# KiCad board main_panel.kicad_pcb (continued)
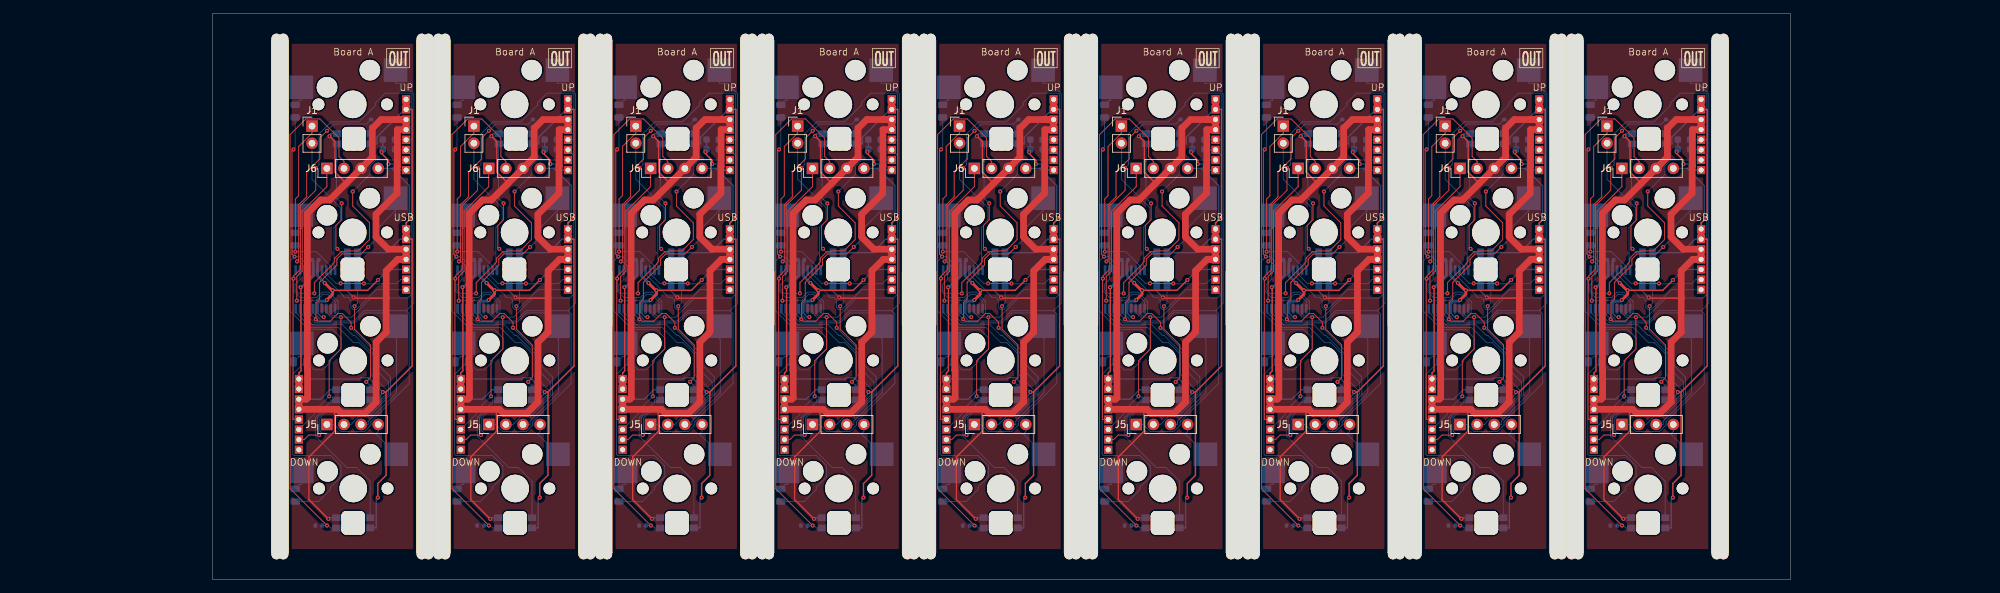
[diagram p0: board, top side]
## Routing (per net, layer and track width the routed paths; a pad name or vN(x,y) marks a point on that pad's centre or on a via; arc(x,y) is an arc through that point) (continued)
/COM2: length 261.5
  Top w0.13: J6#4.1 16.96,58.31 13.3,54.66 13.3,45.76 12.51,44.97 v1(12.51,41.38) ; v1(132.51,41.38) 132.51,44.97 133.3,45.76 133.3,54.66 136.96,58.31 J6#2.1 ; J6#3.1 88.96,58.31 85.3,54.66 85.3,45.76 84.51,44.97 v1(84.51,41.38) ; v1(180.51,41.38) 180.51,44.97 181.3,45.76 181.3,54.66 184.96,58.31 J6#9.1 ; v1(36.51,41.38) 36.51,44.97 37.3,45.76 37.3,54.66 40.96,58.31 J6.1 ; J6#6.1 208.96,58.31 205.3,54.66 205.3,45.76 204.51,44.97 v1(204.51,41.38) ; J6#8.1 64.96,58.31 61.3,54.66 61.3,45.76 60.51,44.97 v1(60.51,41.38) ; J6#7.1 160.96,58.31 157.3,54.66 157.3,45.76 156.51,44.97 v1(156.51,41.38) ; v1(108.51,41.38) 108.51,44.97 109.3,45.76 109.3,54.66 112.96,58.31 J6#5.1
  Bottom w0.13: v1(156.51,41.38) 159.35,41.38 159.74,41.76 159.81,41.76 160.36,42.31 161.11,42.31 162.19,41.24 U1#7.1 ; U1#2.1 210.19,41.24 209.11,42.31 208.36,42.31 207.81,41.76 207.74,41.76 207.35,41.38 v1(204.51,41.38) ; v1(12.51,41.38) 15.35,41.38 15.74,41.76 15.81,41.76 16.36,42.31 17.11,42.31 18.19,41.24 U1#8.1 ; U1#6.1 186.19,41.24 185.11,42.31 184.36,42.31 183.81,41.76 183.74,41.76 183.35,41.38 v1(180.51,41.38) ; v1(108.51,41.38) 111.35,41.38 111.74,41.76 111.81,41.76 112.36,42.31 113.11,42.31 114.19,41.24 U1#5.1 ; v1(36.51,41.38) 39.35,41.38 39.74,41.76 39.81,41.76 40.36,42.31 41.11,42.31 42.19,41.24 U1.1 ; v1(84.51,41.38) 87.35,41.38 87.74,41.76 87.81,41.76 88.36,42.31 89.11,42.31 90.19,41.24 U1#3.1 ; v1(132.51,41.38) 135.35,41.38 135.74,41.76 135.81,41.76 136.36,42.31 137.11,42.31 138.19,41.24 U1#9.1 ; v1(60.51,41.38) 63.35,41.38 63.74,41.76 63.81,41.76 64.36,42.31 65.11,42.31 66.19,41.24 U1#4.1
/DM: length 154.5
  Bottom w0.13: J4#3.7 192.27,43.01 189.33,40.06 188.84,40.06 188.51,40.39 188.51,41.49 188.13,41.87 187.56,41.87 187.38,42.05 187.38,42.15 184.24,45.3 184.24,45.91 ; U1.17 40.23,45.3 43.38,42.15 43.38,42.05 43.56,41.87 44.13,41.87 44.51,41.49 44.51,40.39 44.84,40.06 45.33,40.06 48.27,43.01 J4#6.7 ; U1#4.17 64.23,45.3 67.38,42.15 67.38,42.05 67.56,41.87 68.13,41.87 68.51,41.49 68.51,40.39 68.84,40.06 69.33,40.06 72.27,43.01 J4#9.7 ; 160.24,45.91 160.24,45.3 163.38,42.15 163.38,42.05 163.56,41.87 164.13,41.87 164.51,41.49 164.51,40.39 164.84,40.06 165.33,40.06 168.27,43.01 J4#8.7 ; J4#5.7 144.27,43.01 141.33,40.06 140.84,40.06 140.51,40.39 140.51,41.49 140.13,41.87 139.56,41.87 139.38,42.05 139.38,42.15 136.24,45.3 136.24,45.91 ; 112.24,45.91 112.24,45.3 115.38,42.15 115.38,42.05 115.56,41.87 116.13,41.87 116.51,41.49 116.51,40.39 116.84,40.06 117.33,40.06 120.27,43.01 J4#2.7 ; J4.7 96.27,43.01 93.33,40.06 92.84,40.06 92.51,40.39 92.51,41.49 92.13,41.87 91.56,41.87 91.38,42.05 91.38,42.15 88.23,45.3 U1#3.17 ; U1#8.17 16.23,45.3 19.38,42.15 19.38,42.05 19.56,41.87 20.13,41.87 20.51,41.49 20.51,40.39 20.84,40.06 21.33,40.06 24.27,43.01 J4#7.7 ; J4#4.7 216.27,43.01 213.33,40.06 212.84,40.06 212.51,40.39 212.51,41.49 212.13,41.87 211.56,41.87 211.38,42.05 211.38,42.15 208.24,45.3 208.24,45.91
/DP: length 118.9
  Top w0.13: v1(187,43.95) 187.02,43.93 v1(190.45,43.93) ; v1(70.45,43.93) 67.02,43.93 v1(67,43.95) ; v1(46.45,43.93) 43.02,43.93 v1(43,43.95) ; v1(214.45,43.93) 211.02,43.93 v1(211,43.95) ; v1(94.45,43.93) 91.02,43.93 v1(91,43.95) ; v1(142.45,43.93) 139.02,43.93 v1(139,43.95) ; v1(115,43.95) 115.02,43.93 v1(118.45,43.93) ; v1(163,43.95) 163.02,43.93 v1(166.45,43.93) ; v1(22.45,43.93) 19.02,43.93 v1(19,43.95)
  Bottom w0.13: J4#6.6 51.91,44.51 51.3,43.89 46.49,43.89 v1(46.45,43.93) ; v1(211,43.95) 210.32,43.95 208.88,45.39 U1#2.18 ; v1(115,43.95) 114.32,43.95 112.88,45.39 U1#5.18 ; U1.18 40.89,45.39 42.32,43.95 v1(43,43.95) ; v1(142.45,43.93) 142.49,43.89 147.3,43.89 147.91,44.51 J4#5.6 ; J4#3.6 195.91,44.51 195.3,43.89 190.49,43.89 v1(190.45,43.93) ; J4#7.6 27.91,44.51 27.3,43.89 22.49,43.89 v1(22.45,43.93) ; U1#8.18 16.88,45.39 18.32,43.95 v1(19,43.95) ; J4#8.6 171.91,44.51 171.3,43.89 166.49,43.89 v1(166.45,43.93) ; U1#4.18 64.89,45.39 66.32,43.95 v1(67,43.95) ; U1#3.18 88.89,45.39 90.32,43.95 v1(91,43.95) ; v1(139,43.95) 138.32,43.95 136.88,45.39 U1#9.18 ; v1(163,43.95) 162.32,43.95 160.88,45.39 U1#7.18 ; v1(70.45,43.93) 70.49,43.89 75.3,43.89 75.91,44.51 J4#9.6 ; v1(94.45,43.93) 94.49,43.89 99.3,43.89 99.91,44.51 J4.6 ; v1(118.45,43.93) 118.49,43.89 123.3,43.89 123.91,44.51 J4#2.6 ; v1(214.45,43.93) 214.49,43.89 219.3,43.89 219.91,44.51 J4#4.6 ; v1(187,43.95) 186.32,43.95 184.88,45.39 U1#6.18
/LED: length 273.5
  Top w0.13: v1(136.98,66.59) 135.91,65.52 135.91,62.42 133.97,60.47 133.97,56.79 132.78,55.61 132.78,47.45 v1(132.54,47.2) ; v1(184.98,66.59) 183.91,65.52 183.91,62.42 181.97,60.47 181.97,56.79 180.78,55.61 180.78,47.45 v1(180.54,47.2) ; v1(16.98,66.59) 15.91,65.52 15.91,62.42 13.97,60.47 13.97,56.79 12.78,55.61 12.78,47.45 v1(12.54,47.2) ; v1(88.98,66.59) 87.91,65.52 87.91,62.42 85.97,60.47 85.97,56.79 84.78,55.61 84.78,47.45 v1(84.54,47.2) ; v1(40.98,66.59) 39.91,65.52 39.91,62.42 37.97,60.47 37.97,56.79 36.78,55.61 36.78,47.45 v1(36.54,47.2) ; v1(208.98,66.59) 207.91,65.52 207.91,62.42 205.97,60.47 205.97,56.79 204.78,55.61 204.78,47.45 v1(204.54,47.2) ; v1(156.54,47.2) 156.78,47.45 156.78,55.61 157.97,56.79 157.97,60.47 159.91,62.42 159.91,65.52 v1(160.98,66.59) ; v1(108.54,47.2) 108.78,47.45 108.78,55.61 109.97,56.79 109.97,60.47 111.91,62.42 111.91,65.52 v1(112.98,66.59) ; v1(64.98,66.59) 63.91,65.52 63.91,62.42 61.97,60.47 61.97,56.79 60.78,55.61 60.78,47.45 v1(60.54,47.2)
  Bottom w0.13: v1(156.54,47.2) 156.86,47.2 157.63,46.43 U1#7.13 ; U1.13 37.64,46.43 36.86,47.2 v1(36.54,47.2) ; v1(84.54,47.2) 84.86,47.2 85.64,46.43 U1#3.13 ; R1#4.1 22.84,67.6 17.99,67.6 v1(16.98,66.59) ; R1#3.1 94.84,67.6 89.99,67.6 v1(88.98,66.59) ; v1(64.98,66.59) 65.99,67.6 70.84,67.6 R1#8.1 ; v1(184.98,66.59) 185.99,67.6 190.84,67.6 R1#2.1 ; v1(204.54,47.2) 204.86,47.2 205.63,46.43 U1#2.13 ; v1(208.98,66.59) 209.99,67.6 214.84,67.6 R1.1 ; U1#4.13 61.64,46.43 60.86,47.2 v1(60.54,47.2) ; v1(180.54,47.2) 180.86,47.2 181.63,46.43 U1#6.13 ; U1#8.13 13.63,46.43 12.86,47.2 v1(12.54,47.2) ; U1#9.13 133.63,46.43 132.86,47.2 v1(132.54,47.2) ; U1#5.13 109.63,46.43 108.86,47.2 v1(108.54,47.2) ; R1#9.1 46.84,67.6 41.99,67.6 v1(40.98,66.59) ; v1(112.98,66.59) 113.99,67.6 118.84,67.6 R1#7.1 ; v1(136.98,66.59) 137.99,67.6 142.84,67.6 R1#6.1 ; R1#5.1 166.84,67.6 161.99,67.6 v1(160.98,66.59)
/LED2: length 690.4
  Top w0.13: v1(64.98,8.01) 59.51,13.48 59.51,66.02 61.84,68.35 63.93,68.35 66.76,65.51 66.76,62.79 67.5,62.06 J6#8.2 ; J6#5.2 115.5,62.06 114.76,62.79 114.76,65.51 111.93,68.35 109.84,68.35 107.51,66.02 107.51,13.48 v1(112.98,8.01) ; J6#3.2 91.5,62.06 90.76,62.79 90.76,65.51 87.93,68.35 85.84,68.35 83.51,66.02 83.51,13.48 v1(88.98,8.01) ; v1(160.98,8.01) 155.51,13.48 155.51,66.02 157.84,68.35 159.93,68.35 162.76,65.51 162.76,62.79 163.5,62.06 J6#7.2 ; J6#2.2 139.5,62.06 138.76,62.79 138.76,65.51 135.93,68.35 133.84,68.35 131.51,66.02 131.51,13.48 v1(136.98,8.01) ; J6.2 43.5,62.06 42.76,62.79 42.76,65.51 39.93,68.35 37.84,68.35 35.51,66.02 35.51,13.48 v1(40.98,8.01) ; v1(208.98,8.01) 203.51,13.48 203.51,66.02 205.84,68.35 207.93,68.35 210.76,65.51 210.76,62.79 211.5,62.06 J6#6.2 ; J6#9.2 187.5,62.06 186.76,62.79 186.76,65.51 183.93,68.35 181.84,68.35 179.51,66.02 179.51,13.48 v1(184.98,8.01) ; v1(16.98,8.01) 11.51,13.48 11.51,66.02 13.84,68.35 15.93,68.35 18.76,65.51 18.76,62.79 19.5,62.06 J6#4.2
  Bottom w0.13: D4#9.2 185.54,7.65 185.18,8.01 v1(184.98,8.01) R2#7.1 ; R2#2.1 v1(64.98,8.01) 65.18,8.01 65.54,7.65 D4#3.2 ; D4#5.2 137.54,7.65 137.18,8.01 v1(136.98,8.01) R2#8.1 ; D4#2.2 209.54,7.65 209.18,8.01 v1(208.98,8.01) R2#6.1 ; R2#5.1 v1(40.98,8.01) 41.18,8.01 41.54,7.65 D4#7.2 ; D4#6.2 17.54,7.65 17.18,8.01 v1(16.98,8.01) R2.1 ; D4#8.2 161.54,7.65 161.18,8.01 v1(160.98,8.01) R2#9.1 ; R2#3.1 v1(88.98,8.01) 89.18,8.01 89.54,7.65 D4.2 ; R2#4.1 v1(112.98,8.01) 113.18,8.01 113.54,7.65 D4#4.2
/RDYin: length 348
  Top w0.13: v1(183.8,21.44) 182.28,21.44 181.61,20.76 J3#9.2 ; J3#3.2 133.61,20.76 134.28,21.44 v1(135.8,21.44) ; v1(15.8,21.44) 14.28,21.44 13.61,20.76 J3#6.2 ; J3#5.2 157.61,20.76 158.28,21.44 v1(159.8,21.44) ; J3#4.2 109.61,20.76 110.28,21.44 v1(111.8,21.44) ; v1(63.8,21.44) 62.28,21.44 61.61,20.76 J3#2.2 ; v1(39.8,21.44) 38.28,21.44 37.61,20.76 J3.2 ; J3#8.2 205.61,20.76 206.28,21.44 v1(207.8,21.44) ; v1(87.8,21.44) 86.28,21.44 85.61,20.76 J3#7.2
  Bottom w0.13: 156.34,40.18 156.34,39.67 158.61,37.39 162.67,37.39 164.91,35.16 165.75,35.16 167.51,33.39 167.51,30.44 169.81,28.14 169.81,27.58 167.51,25.29 160.86,25.29 159.61,24.04 159.61,21.63 v1(159.8,21.44) ; v1(135.8,21.44) 135.61,21.63 135.61,24.04 136.86,25.29 143.51,25.29 145.81,27.58 145.81,28.14 143.51,30.44 143.51,33.39 141.75,35.16 140.91,35.16 138.67,37.39 134.61,37.39 132.34,39.67 132.34,40.18 ; v1(39.8,21.44) 39.61,21.63 39.61,24.04 40.86,25.29 47.51,25.29 49.81,27.58 49.81,28.14 47.51,30.44 47.51,33.39 45.75,35.16 44.91,35.16 42.67,37.39 38.61,37.39 36.33,39.67 U1.10 ; v1(207.8,21.44) 207.61,21.63 207.61,24.04 208.86,25.29 215.51,25.29 217.81,27.58 217.81,28.14 215.51,30.44 215.51,33.39 213.75,35.16 212.91,35.16 210.67,37.39 206.61,37.39 204.34,39.67 204.34,40.18 ; v1(15.8,21.44) 15.61,21.63 15.61,24.04 16.86,25.29 23.51,25.29 25.81,27.58 25.81,28.14 23.51,30.44 23.51,33.39 21.75,35.16 20.91,35.16 18.67,37.39 14.61,37.39 12.34,39.67 U1#8.10 ; 108.34,40.18 108.34,39.67 110.61,37.39 114.67,37.39 116.91,35.16 117.75,35.16 119.51,33.39 119.51,30.44 121.81,28.14 121.81,27.58 119.51,25.29 112.86,25.29 111.61,24.04 111.61,21.63 v1(111.8,21.44) ; 180.34,40.18 180.34,39.67 182.61,37.39 186.67,37.39 188.91,35.16 189.75,35.16 191.51,33.39 191.51,30.44 193.81,28.14 193.81,27.58 191.51,25.29 184.86,25.29 183.61,24.04 183.61,21.63 v1(183.8,21.44) ; v1(63.8,21.44) 63.61,21.63 63.61,24.04 64.86,25.29 71.51,25.29 73.81,27.58 73.81,28.14 71.51,30.44 71.51,33.39 69.75,35.16 68.91,35.16 66.67,37.39 62.61,37.39 60.33,39.67 U1#4.10 ; v1(87.8,21.44) 87.61,21.63 87.61,24.04 88.86,25.29 95.51,25.29 97.81,27.58 97.81,28.14 95.51,30.44 95.51,33.39 93.75,35.16 92.91,35.16 90.67,37.39 86.61,37.39 84.33,39.67 U1#3.10
/RDYout: length 340.5
  Top w0.13: v1(44.79,57.58) 44.79,55.42 47.28,52.93 47.28,50.45 45.61,48.77 43.73,48.77 43.6,48.64 43.08,48.64 42.12,47.69 42.12,47.17 41.86,46.9 41.86,46.82 39.1,44.05 v1(39.1,42.46) ; v1(87.1,42.46) 87.1,44.05 89.86,46.82 89.86,46.9 90.12,47.17 90.12,47.69 91.08,48.64 91.6,48.64 91.73,48.77 93.61,48.77 95.28,50.45 95.28,52.93 92.79,55.42 v1(92.79,57.58) ; v1(15.1,42.46) 15.1,44.05 17.86,46.82 17.86,46.9 18.12,47.17 18.12,47.69 19.08,48.64 19.6,48.64 19.73,48.77 21.61,48.77 23.28,50.45 23.28,52.93 20.79,55.42 v1(20.79,57.58) ; v1(183.1,42.46) 183.1,44.05 185.86,46.82 185.86,46.9 186.12,47.17 186.12,47.69 187.08,48.64 187.6,48.64 187.73,48.77 189.61,48.77 191.28,50.45 191.28,52.93 188.79,55.42 v1(188.79,57.58) ; v1(159.1,42.46) 159.1,44.05 161.86,46.82 161.86,46.9 162.12,47.17 162.12,47.69 163.08,48.64 163.6,48.64 163.73,48.77 165.61,48.77 167.28,50.45 167.28,52.93 164.79,55.42 v1(164.79,57.58) ; v1(207.1,42.46) 207.1,44.05 209.86,46.82 209.86,46.9 210.12,47.17 210.12,47.69 211.08,48.64 211.6,48.64 211.73,48.77 213.61,48.77 215.28,50.45 215.28,52.93 212.79,55.42 v1(212.79,57.58) ; v1(140.79,57.58) 140.79,55.42 143.28,52.93 143.28,50.45 141.61,48.77 139.73,48.77 139.6,48.64 139.08,48.64 138.12,47.69 138.12,47.17 137.86,46.9 137.86,46.82 135.1,44.05 v1(135.1,42.46) ; v1(116.79,57.58) 116.79,55.42 119.28,52.93 119.28,50.45 117.61,48.77 115.73,48.77 115.6,48.64 115.08,48.64 114.12,47.69 114.12,47.17 113.86,46.9 113.86,46.82 111.1,44.05 v1(111.1,42.46) ; v1(68.79,57.58) 68.79,55.42 71.28,52.93 71.28,50.45 69.61,48.77 67.73,48.77 67.6,48.64 67.08,48.64 66.12,47.69 66.12,47.17 65.86,46.9 65.86,46.82 63.1,44.05 v1(63.1,42.46)
  Bottom w0.13: v1(20.79,57.58) 23.34,60.12 23.34,61.37 24.23,62.26 J2.7 ; U1#5.12 108.99,44.52 108.24,43.77 108.24,42.98 108.76,42.46 v1(111.1,42.46) ; v1(135.1,42.46) 132.76,42.46 132.24,42.98 132.24,43.77 132.99,44.52 U1#9.12 ; U1#2.12 204.99,44.52 204.24,43.77 204.24,42.98 204.76,42.46 v1(207.1,42.46) ; v1(87.1,42.46) 84.76,42.46 84.24,42.98 84.24,43.77 84.98,44.52 U1#3.12 ; v1(164.79,57.58) 167.34,60.12 167.34,61.37 168.23,62.26 J2#6.7 ; J2#5.7 48.23,62.26 47.34,61.37 47.34,60.12 v1(44.79,57.58) ; v1(183.1,42.46) 180.76,42.46 180.24,42.98 180.24,43.77 180.99,44.52 U1#6.12 ; J2#7.7 144.23,62.26 143.34,61.37 143.34,60.12 v1(140.79,57.58) ; U1#7.12 156.99,44.52 156.24,43.77 156.24,42.98 156.76,42.46 v1(159.1,42.46) ; J2#4.7 120.23,62.26 119.34,61.37 119.34,60.12 v1(116.79,57.58) ; U1#4.12 60.98,44.52 60.24,43.77 60.24,42.98 60.76,42.46 v1(63.1,42.46) ; v1(212.79,57.58) 215.34,60.12 215.34,61.37 216.23,62.26 J2#2.7 ; v1(188.79,57.58) 191.34,60.12 191.34,61.37 192.23,62.26 J2#3.7 ; v1(92.79,57.58) 95.34,60.12 95.34,61.37 96.23,62.26 J2#9.7 ; v1(15.1,42.46) 12.76,42.46 12.24,42.98 12.24,43.77 12.98,44.52 U1#8.12 ; v1(39.1,42.46) 36.76,42.46 36.24,42.98 36.24,43.77 36.98,44.52 U1.12 ; v1(68.79,57.58) 71.34,60.12 71.34,61.37 72.23,62.26 J2#8.7
/SCL: length 518.5
  Top w0.13: v1(211.04,38.93) 211.04,34.2 209.3,32.45 v1(209.3,27.19) ; v1(187.04,38.93) 187.04,34.2 185.3,32.45 v1(185.3,27.19) ; v1(17.3,27.19) 17.3,32.45 19.04,34.2 v1(19.04,38.93) ; v1(91.04,38.93) 91.04,34.2 89.3,32.45 v1(89.3,27.19) ; v1(43.04,38.93) 43.04,34.2 41.3,32.45 v1(41.3,27.19) ; v1(139.04,38.93) 139.04,34.2 137.3,32.45 v1(137.3,27.19) ; v1(67.04,38.93) 67.04,34.2 65.3,32.45 v1(65.3,27.19) ; v1(161.3,27.19) 161.3,32.45 163.04,34.2 v1(163.04,38.93) ; v1(113.3,27.19) 113.3,32.45 115.04,34.2 v1(115.04,38.93)
  Bottom w0.13: J3#4.3 111.11,24.56 111.11,25.01 v1(113.3,27.19) ; U1#5.3 112.88,39.64 113.6,38.93 v1(115.04,38.93) 116.65,38.93 119.48,41.77 124.98,41.77 125.57,42.35 125.57,62.9 J2#4.6 123.15,63.76 R4#6.1 ; U1#3.3 88.89,39.64 89.6,38.93 v1(91.04,38.93) 92.65,38.93 95.48,41.77 100.98,41.77 101.57,42.35 101.57,62.9 J2#9.6 99.15,63.76 R4.1 ; R4#9.1 147.15,63.76 J2#7.6 149.57,62.9 149.57,42.35 148.98,41.77 143.48,41.77 140.65,38.93 v1(139.04,38.93) 137.6,38.93 136.88,39.64 U1#9.3 ; R4#7.1 171.15,63.76 J2#6.6 173.57,62.9 173.57,42.35 172.98,41.77 167.48,41.77 164.65,38.93 v1(163.04,38.93) 161.6,38.93 160.88,39.64 U1#7.3 ; J3#2.3 63.11,24.56 63.11,25.01 v1(65.3,27.19) ; J3#7.3 87.11,24.56 87.11,25.01 v1(89.3,27.19) ; v1(209.3,27.19) 207.11,25.01 207.11,24.56 J3#8.3 ; R4#4.1 195.15,63.76 J2#3.6 197.57,62.9 197.57,42.35 196.98,41.77 191.48,41.77 188.65,38.93 v1(187.04,38.93) 185.6,38.93 184.88,39.64 U1#6.3 ; v1(185.3,27.19) 183.11,25.01 183.11,24.56 J3#9.3 ; J3#3.3 135.11,24.56 135.11,25.01 v1(137.3,27.19) ; v1(161.3,27.19) 159.11,25.01 159.11,24.56 J3#5.3 ; R4#5.1 51.15,63.76 J2#5.6 53.57,62.9 53.57,42.35 52.98,41.77 47.48,41.77 44.65,38.93 v1(43.04,38.93) 41.6,38.93 40.89,39.64 U1.3 ; R4#3.1 75.15,63.76 J2#8.6 77.57,62.9 77.57,42.35 76.98,41.77 71.48,41.77 68.65,38.93 v1(67.04,38.93) 65.6,38.93 64.89,39.64 U1#4.3 ; J3#6.3 15.11,24.56 15.11,25.01 v1(17.3,27.19) ; J3.3 39.11,24.56 39.11,25.01 v1(41.3,27.19) ; U1#2.3 208.88,39.64 209.6,38.93 v1(211.04,38.93) 212.65,38.93 215.48,41.77 220.98,41.77 221.57,42.35 221.57,62.9 J2#2.6 219.15,63.76 R4#8.1 ; R4#2.1 27.15,63.76 J2.6 29.57,62.9 29.57,42.35 28.98,41.77 23.48,41.77 20.65,38.93 v1(19.04,38.93) 17.6,38.93 16.88,39.64 U1#8.3
/SDA: length 757
  Top w0.13: v1(39.31,61.06) 39.31,57.76 37.04,55.5 37.04,46.05 36.01,45.02 v1(36.01,44.65) 35.95,44.59 35.95,23.83 36.01,23.76 J3.4 ; v1(207.31,61.06) 207.31,57.76 205.04,55.5 205.04,46.05 204.01,45.02 v1(204.01,44.65) 203.95,44.59 203.95,23.83 204.01,23.76 J3#8.4 ; J3#5.4 156.01,23.76 155.95,23.83 155.95,44.59 v1(156.01,44.65) 156.01,45.02 157.04,46.05 157.04,55.5 159.31,57.76 v1(159.31,61.06) ; v1(183.31,61.06) 183.31,57.76 181.04,55.5 181.04,46.05 180.01,45.02 v1(180.01,44.65) 179.95,44.59 179.95,23.83 180.01,23.76 J3#9.4 ; J3#7.4 84.01,23.76 83.95,23.83 83.95,44.59 v1(84.01,44.65) 84.01,45.02 85.04,46.05 85.04,55.5 87.31,57.76 v1(87.31,61.06) ; J3#3.4 132.01,23.76 131.95,23.83 131.95,44.59 v1(132.01,44.65) 132.01,45.02 133.04,46.05 133.04,55.5 135.31,57.76 v1(135.31,61.06) ; v1(111.31,61.06) 111.31,57.76 109.04,55.5 109.04,46.05 108.01,45.02 v1(108.01,44.65) 107.95,44.59 107.95,23.83 108.01,23.76 J3#4.4 ; J3#6.4 12.01,23.76 11.95,23.83 11.95,44.59 v1(12.01,44.65) 12.01,45.02 13.04,46.05 13.04,55.5 15.31,57.76 v1(15.31,61.06) ; v1(63.31,61.06) 63.31,57.76 61.04,55.5 61.04,46.05 60.01,45.02 v1(60.01,44.65) 59.95,44.59 59.95,23.83 60.01,23.76 J3#2.4
  Bottom w0.13: v1(87.31,61.06) 87.81,61.56 87.81,66.13 89.59,67.92 93.73,67.92 96.19,70.38 96.19,70.74 97.62,72.17 101.38,72.17 101.57,71.98 101.57,65.32 101.51,65.26 J2#9.5 99.1,65.26 R3#2.1 ; U1#4.2 65.53,39.44 65.77,39.21 66.37,39.21 66.63,39.46 66.63,41.23 66.5,41.35 66.5,41.38 65.25,42.64 64.23,42.64 63.45,41.85 61.01,41.85 59.98,42.87 59.98,44.62 v1(60.01,44.65) ; v1(108.01,44.65) 107.98,44.62 107.98,42.87 109.01,41.85 111.45,41.85 112.23,42.64 113.25,42.64 114.5,41.38 114.5,41.35 114.63,41.23 114.63,39.46 114.37,39.21 113.77,39.21 113.53,39.44 U1#5.2 ; U1#2.2 209.53,39.44 209.77,39.21 210.37,39.21 210.63,39.46 210.63,41.23 210.5,41.35 210.5,41.38 209.25,42.64 208.23,42.64 207.45,41.85 205.01,41.85 203.98,42.87 203.98,44.62 v1(204.01,44.65) ; R3#3.1 219.1,65.26 J2#2.5 221.51,65.26 221.57,65.32 221.57,71.98 221.38,72.17 217.62,72.17 216.19,70.74 216.19,70.38 213.73,67.92 209.59,67.92 207.81,66.13 207.81,61.56 v1(207.31,61.06) ; v1(36.01,44.65) 35.98,44.62 35.98,42.87 37.01,41.85 39.45,41.85 40.23,42.64 41.25,42.64 42.5,41.38 42.5,41.35 42.63,41.23 42.63,39.46 42.37,39.21 41.77,39.21 41.53,39.44 U1.2 ; v1(15.31,61.06) 15.81,61.56 15.81,66.13 17.59,67.92 21.73,67.92 24.19,70.38 24.19,70.74 25.62,72.17 29.38,72.17 29.57,71.98 29.57,65.32 29.51,65.26 J2.5 27.1,65.26 R3#7.1 ; v1(12.01,44.65) 11.98,44.62 11.98,42.87 13.01,41.85 15.45,41.85 16.23,42.64 17.25,42.64 18.51,41.38 18.51,41.35 18.63,41.23 18.63,39.46 18.37,39.21 17.77,39.21 17.53,39.44 U1#8.2 ; R3#5.1 195.1,65.26 J2#3.5 197.51,65.26 197.57,65.32 197.57,71.98 197.38,72.17 193.62,72.17 192.19,70.74 192.19,70.38 189.73,67.92 185.59,67.92 183.81,66.13 183.81,61.56 v1(183.31,61.06) ; U1#3.2 89.53,39.44 89.77,39.21 90.37,39.21 90.63,39.46 90.63,41.23 90.5,41.35 90.5,41.38 89.25,42.64 88.23,42.64 87.45,41.85 85.01,41.85 83.98,42.87 83.98,44.62 v1(84.01,44.65) ; U1#7.2 161.53,39.44 161.77,39.21 162.37,39.21 162.63,39.46 162.63,41.23 162.5,41.35 162.5,41.38 161.25,42.64 160.23,42.64 159.45,41.85 157.01,41.85 155.98,42.87 155.98,44.62 v1(156.01,44.65) ; U1#6.2 185.53,39.44 185.77,39.21 186.37,39.21 186.63,39.46 186.63,41.23 186.5,41.35 186.5,41.38 185.25,42.64 184.23,42.64 183.45,41.85 181.01,41.85 179.98,42.87 179.98,44.62 v1(180.01,44.65) ; U1#9.2 137.53,39.44 137.77,39.21 138.37,39.21 138.63,39.46 138.63,41.23 138.5,41.35 138.5,41.38 137.25,42.64 136.23,42.64 135.45,41.85 133.01,41.85 131.98,42.87 131.98,44.62 v1(132.01,44.65) ; R3#8.1 51.1,65.26 J2#5.5 53.51,65.26 53.57,65.32 53.57,71.98 53.38,72.17 49.62,72.17 48.19,70.74 48.19,70.38 45.73,67.92 41.59,67.92 39.81,66.13 39.81,61.56 v1(39.31,61.06) ; v1(63.31,61.06) 63.81,61.56 63.81,66.13 65.59,67.92 69.73,67.92 72.19,70.38 72.19,70.74 73.62,72.17 77.38,72.17 77.57,71.98 77.57,65.32 77.51,65.26 J2#8.5 75.1,65.26 R3.1 ; R3#6.1 147.1,65.26 J2#7.5 149.51,65.26 149.57,65.32 149.57,71.98 149.38,72.17 145.62,72.17 144.19,70.74 144.19,70.38 141.73,67.92 137.59,67.92 135.81,66.13 135.81,61.56 v1(135.31,61.06) ; v1(111.31,61.06) 111.81,61.56 111.81,66.13 113.59,67.92 117.73,67.92 120.19,70.38 120.19,70.74 121.62,72.17 125.38,72.17 125.57,71.98 125.57,65.32 125.51,65.26 J2#4.5 123.1,65.26 R3#9.1 ; R3#4.1 171.1,65.26 J2#6.5 173.51,65.26 173.57,65.32 173.57,71.98 173.38,72.17 169.62,72.17 168.19,70.74 168.19,70.38 165.73,67.92 161.59,67.92 159.81,66.13 159.81,61.56 v1(159.31,61.06)
/SW1: length 723.4
  Bottom w0.13: J5#3.1 162.01,23.01 163.05,21.96 166.52,21.96 167.49,22.94 167.49,23.42 173.17,29.1 173.17,39.44 172.72,39.89 ; SW1#3.1 75.14,73.64 76.27,73.64 77.84,72.08 77.84,41.01 76.72,39.89 ; 172.72,39.89 173.84,41.01 173.84,72.08 172.27,73.64 171.15,73.64 SW1#8.1 ; 172.72,39.89 166.47,39.89 164.94,38.36 160.15,38.36 159.8,38.72 159.8,38.82 159.51,39.11 159.41,39.11 158.94,39.58 U1#7.6 ; U1#5.6 110.94,39.58 111.41,39.11 111.51,39.11 111.8,38.82 111.8,38.72 112.15,38.36 116.94,38.36 118.47,39.89 124.72,39.89 ; 220.72,39.89 214.47,39.89 212.94,38.36 208.15,38.36 207.8,38.72 207.8,38.82 207.51,39.11 207.41,39.11 206.94,39.58 U1#2.6 ; 220.72,39.89 221.84,41.01 221.84,72.08 220.27,73.64 219.15,73.64 SW1.1 ; 220.72,39.89 221.17,39.44 221.17,29.1 215.49,23.42 215.49,22.94 214.52,21.96 211.05,21.96 210.01,23.01 J5.1 ; 124.72,39.89 125.17,39.44 125.17,29.1 119.49,23.42 119.49,22.94 118.52,21.96 115.05,21.96 114.01,23.01 J5#4.1 ; 124.72,39.89 125.84,41.01 125.84,72.08 124.27,73.64 123.15,73.64 SW1#7.1 ; 100.72,39.89 101.17,39.44 101.17,29.1 95.49,23.42 95.49,22.94 94.52,21.96 91.05,21.96 90.01,23.01 J5#6.1 ; 100.72,39.89 101.84,41.01 101.84,72.08 100.27,73.64 99.15,73.64 SW1#6.1 ; 100.72,39.89 94.47,39.89 92.94,38.36 88.15,38.36 87.8,38.72 87.8,38.82 87.51,39.11 87.41,39.11 86.94,39.58 U1#3.6 ; 28.72,39.89 29.17,39.44 29.17,29.1 23.49,23.42 23.49,22.94 22.52,21.96 19.05,21.96 18.01,23.01 J5#9.1 ; 28.72,39.89 22.47,39.89 20.94,38.36 16.15,38.36 15.8,38.72 15.8,38.82 15.51,39.11 15.41,39.11 14.94,39.58 14.94,40.18 ; 28.72,39.89 29.84,41.01 29.84,72.08 28.27,73.64 27.15,73.64 SW1#5.1 ; U1#6.6 182.94,39.58 183.41,39.11 183.51,39.11 183.8,38.82 183.8,38.72 184.15,38.36 188.94,38.36 190.47,39.89 196.72,39.89 ; 52.72,39.89 53.84,41.01 53.84,72.08 52.27,73.64 51.14,73.64 SW1#4.1 ; 52.72,39.89 53.17,39.44 53.17,29.1 47.49,23.42 47.49,22.94 46.52,21.96 43.05,21.96 42.01,23.01 J5#2.1 ; 52.72,39.89 46.47,39.89 44.94,38.36 40.15,38.36 39.8,38.72 39.8,38.82 39.51,39.11 39.41,39.11 38.94,39.58 U1.6 ; 148.72,39.89 149.17,39.44 149.17,29.1 143.49,23.42 143.49,22.94 142.52,21.96 139.05,21.96 138.01,23.01 J5#8.1 ; 148.72,39.89 142.47,39.89 140.94,38.36 136.15,38.36 135.8,38.72 135.8,38.82 135.51,39.11 135.41,39.11 134.94,39.58 U1#9.6 ; 148.72,39.89 149.84,41.01 149.84,72.08 148.27,73.64 147.15,73.64 SW1#2.1 ; J5#7.1 66.01,23.01 67.05,21.96 70.52,21.96 71.49,22.94 71.49,23.42 77.17,29.1 77.17,39.44 76.72,39.89 ; J5#5.1 186.01,23.01 187.05,21.96 190.52,21.96 191.49,22.94 191.49,23.42 197.17,29.1 197.17,39.44 196.72,39.89 ; 196.72,39.89 197.84,41.01 197.84,72.08 196.27,73.64 195.15,73.64 SW1#9.1 ; U1#4.6 62.94,39.58 63.41,39.11 63.51,39.11 63.8,38.82 63.8,38.72 64.15,38.36 68.94,38.36 70.47,39.89 76.72,39.89